# Altium PCB ui_brd_raton_v0.PcbDoc (part 3 of 4)
Units mm, origin at the board's own origin, x right, y up, seen from the top; angles counter-clockwise.
Board outline 280.16 x 208.53 mm, 2 copper layers (Top Layer, Bottom Layer); 354 components, 324 nets, 1344 pads, 595 vias.
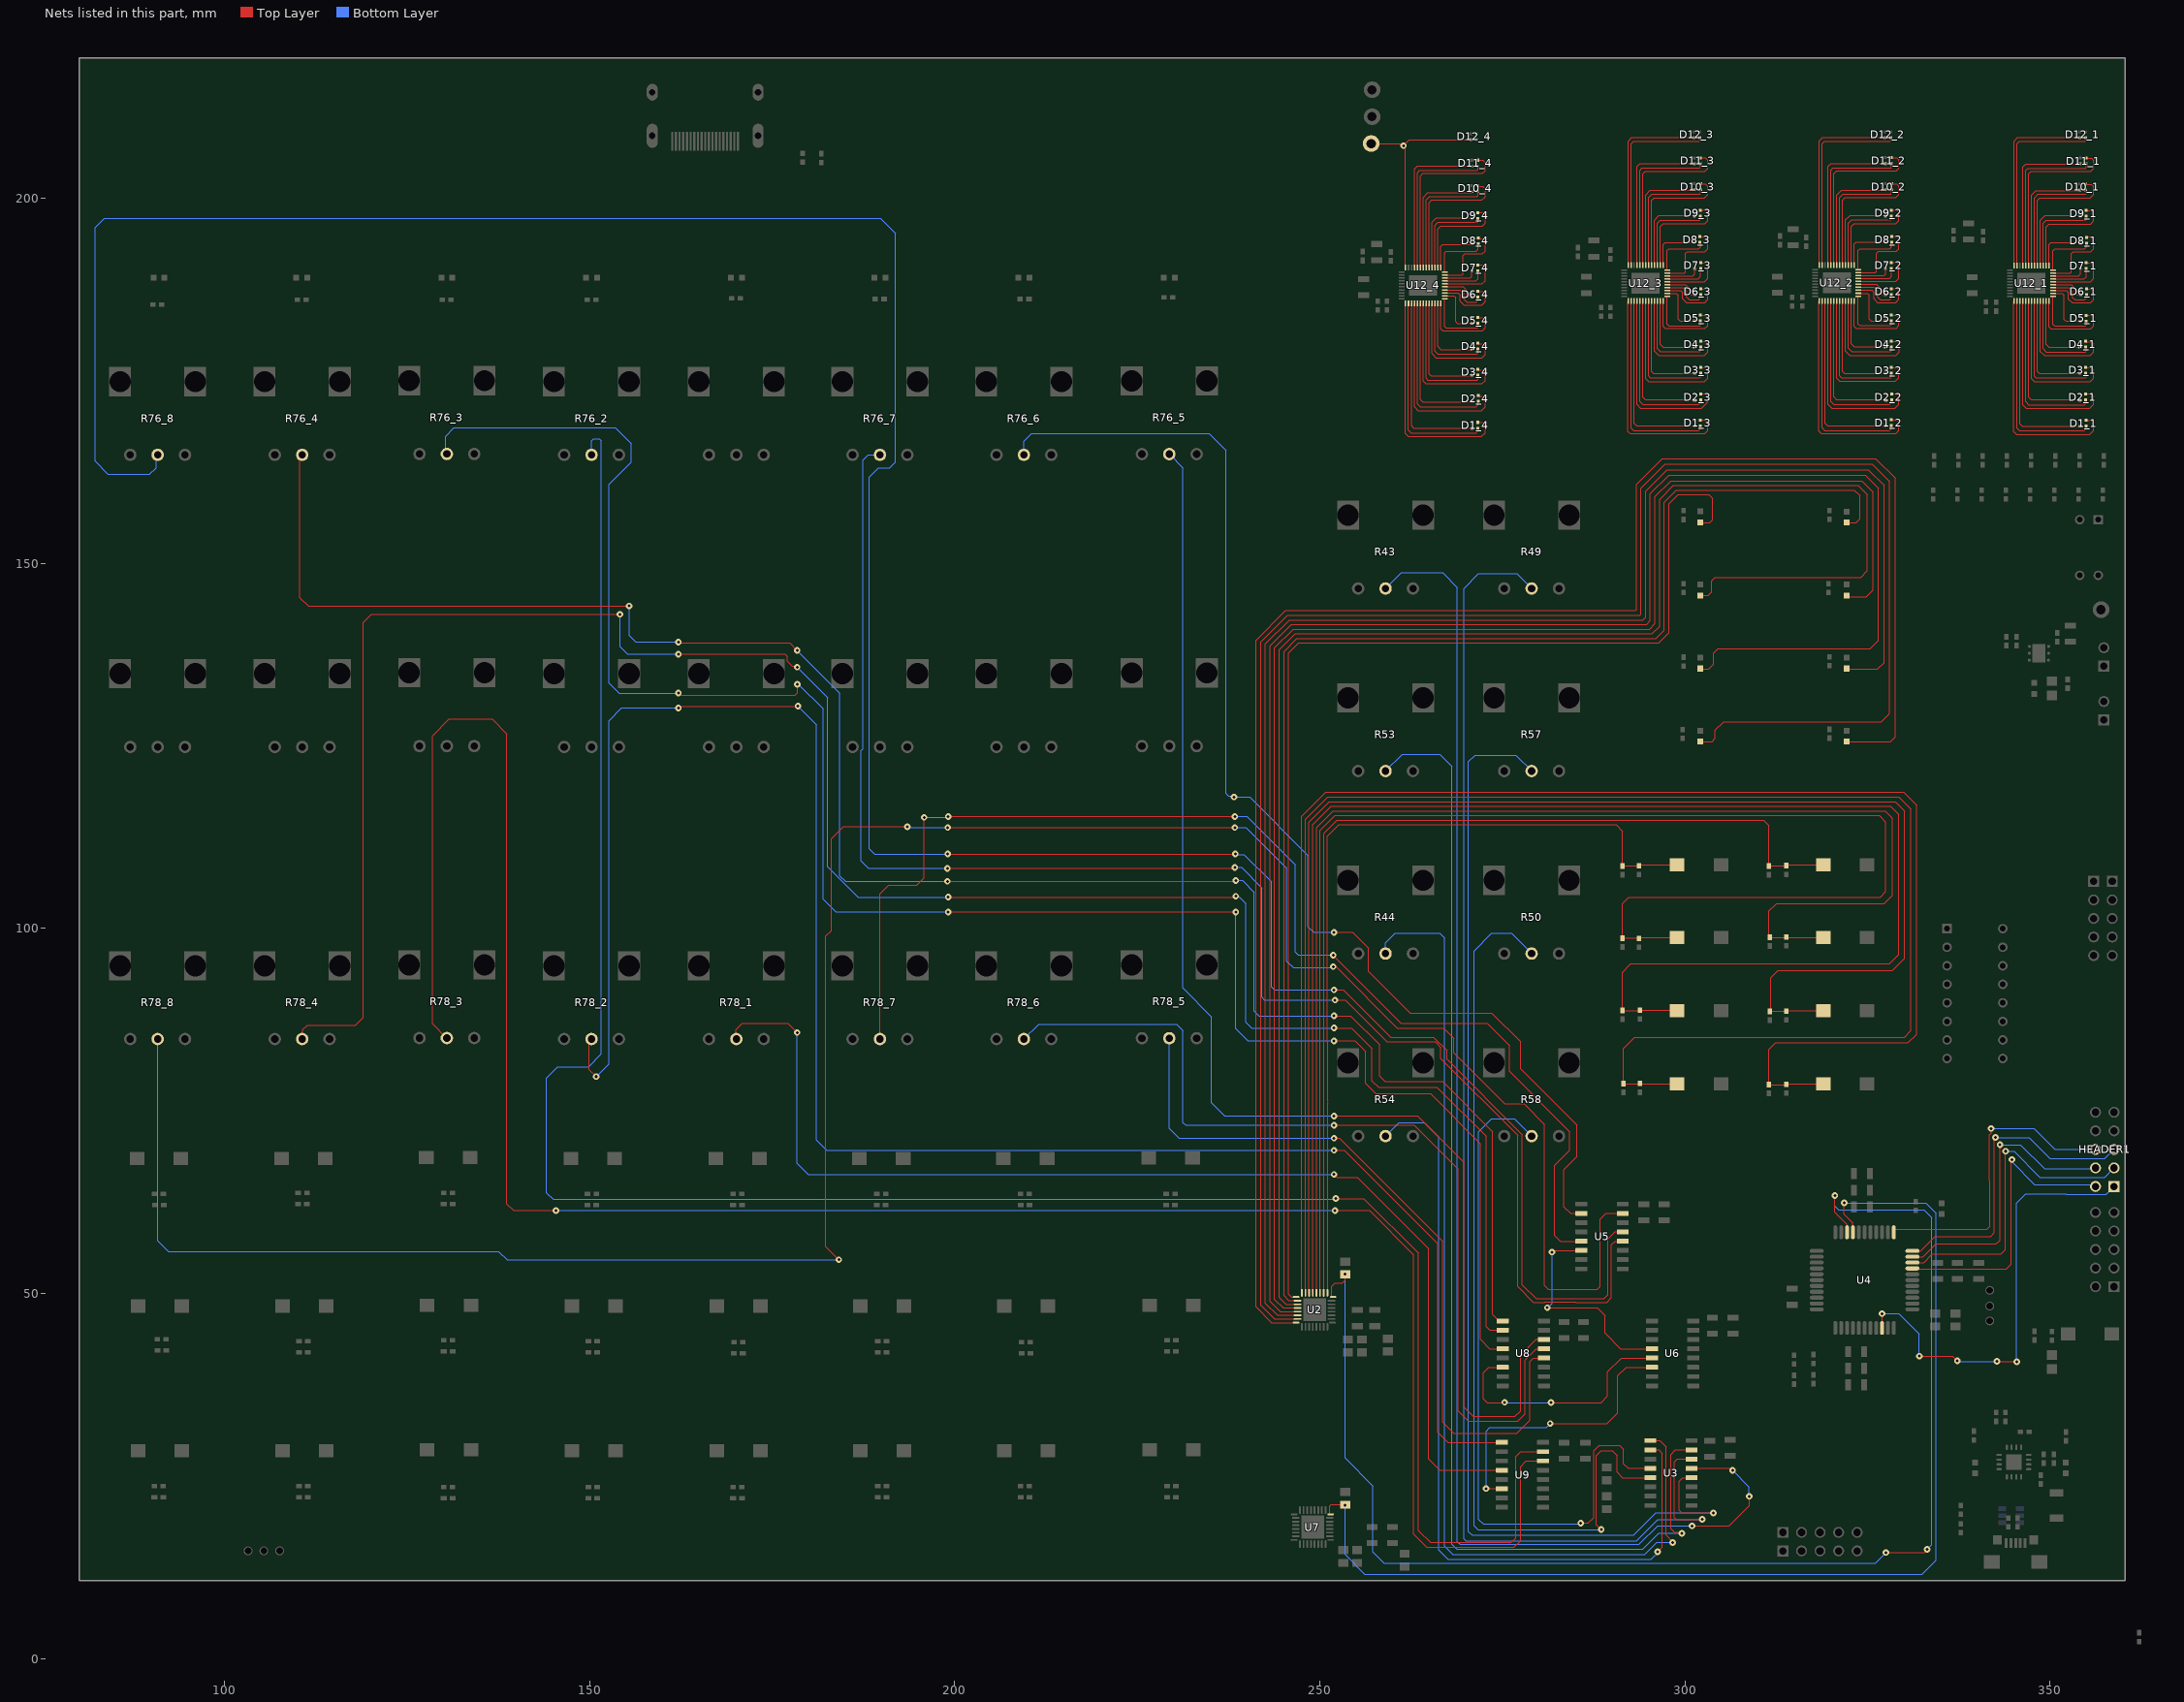
[diagram p3: the nets of this part, all layers, seen from the top]

## Via types
v1: diameter 0.9, hole 0.4, Top Layer to Bottom Layer, tented both sides, 571 vias
v2: diameter 0.5, hole 0.2, Top Layer to Bottom Layer, 16 vias
v3: diameter 0.6, hole 0.3, Top Layer to Bottom Layer, 4 vias
v4: diameter 6, hole 3.15, Top Layer to Bottom Layer, 4 vias

## Nets (pads, with @x,y where several pads share a name; then routed paths per layer and width w, separated by ;. In a path a pad name is that pad's centre, name@x,y a point inside that pad or via, vN(x,y) a via of type N, cw(c..) or ccw(c..) an arc to the next point about the centre after c; other vN are vias at no path point) (continued)
Frequency_2: R76_2.2 U9.15 | length 302.4
  Top Layer w0.152: v1(252.222,62.992) 256.032,62.992 263.525,55.499 263.525,17.526 265.176,15.875 276.225,15.875 276.86,16.51 276.86,27.686 277.495,28.321 U9.15@280.605,28.321
  Bottom Layer w0.152: R76_2.2@150.283,164.836 150.283,166.757 150.531,167.005 151.384,167.005 151.638,166.751 151.638,82.804 149.86,81.026 147.447,81.026 145.669,81.026 144.145,79.502 144.145,63.754 145.034,62.865 252.095,62.865 v1(252.222,62.992)
Frequency_3: R76_3.2 U8.4 | length 268.2
  Top Layer w0.152: v1(162.179,132.207) 162.433,131.953 178.181,131.953 178.473,132.245 v1(178.473,133.422) ; v1(199.136,102.235) v1(238.506,102.235) ; v1(251.968,84.582) 254.83,84.582 256.286,83.126 256.286,78.74 257.683,77.343 265.176,77.343 272.034,70.485 272.034,43.688 273.304,42.418 U8.4@275.051,42.418
  Bottom Layer w0.152: R76_3.2@130.471,164.963 130.302,165.132 130.302,167.386 131.445,168.529 153.543,168.529 155.702,166.37 155.702,163.83 152.654,160.782 152.654,133.604 154.051,132.207 v1(162.179,132.207) ; v1@178.562,133.477 181.991,130.048 181.991,104.013 183.769,102.235 v1(199.136,102.235) ; v1(238.506,102.235) 238.506,86.233 240.157,84.582 v1(251.968,84.582)
Frequency_4: R76_4.2 U8.1 | length 269.3
  Top Layer w0.152: R76_4.2@110.659,164.836 110.363,164.54 110.363,145.288 111.506,144.145 v1(155.448,144.145) ; v1(162.179,139.192) 162.306,139.065 177.419,139.065 v1(178.435,138.049) ; v1(199.009,106.426) 238.379,106.426 v1(238.506,106.553) ; v1(251.968,88.011) 254.254,88.011 258.191,84.074 258.191,79.756 258.953,78.994 266.827,78.994 273.685,72.136 273.685,47.079 273.774,46.99 273.789,46.99 274.551,46.228 U8.1@275.051,46.228
  Bottom Layer w0.152: v1(155.448,144.145) 155.448,140.081 156.337,139.192 v1(162.179,139.192) ; v1(178.435,138.049) 184.277,132.207 184.277,107.188 185.039,106.426 v1(199.009,106.426) ; v1(238.506,106.553) 239.395,106.553 241.046,104.902 241.046,88.646 241.681,88.011 v1(251.968,88.011)
Frequency_5: R76_5.2 U8.14 | length 183
  Top Layer w0.152: v1(251.968,74.295) 263.398,74.295 269.748,67.945 269.748,34.417 271.018,33.147 276.733,33.147 277.495,33.909 277.495,41.536 279.647,43.688 U8.14@280.701,43.688
  Bottom Layer w0.152: R76_5.2@229.404,164.945 231.267,163.082 231.267,91.821 235.204,87.884 235.204,76.073 236.982,74.295 v1(251.968,74.295)
Frequency_6: R76_6.2 U5.2 | length 169.2
  Top Layer w0.152: v1(251.968,99.441) 254.508,99.441 256.667,97.282 256.667,94.107 262.382,88.392 273.558,88.392 277.495,84.455 277.495,80.772 285.242,73.025 285.242,68.707 283.464,66.929 283.464,61.849 284.353,60.96 U5.2@285.846,60.96
  Bottom Layer w0.152: R76_6.2@209.49,164.836 209.49,166.691 210.566,167.767 234.823,167.767 237.178,165.412 237.178,118.422 237.49,118.11 238.125,118.11 v1(238.252,117.983) 240.411,117.983 248.412,109.982 248.412,100.203 249.174,99.441 v1(251.968,99.441)
Frequency_7: R76_7.2 U5.12 | length 216.6
  Top Layer w0.152: v1(199.009,108.204) 238.252,108.204 v1(238.379,108.331) ; v1(252.095,90.17) 253.492,90.17 259.207,84.455 265.811,84.455 266.573,83.693 266.573,82.169 277.114,71.628 277.114,50.927 279.273,48.768 280.802,48.768 280.849,48.816 285.054,48.816 285.102,48.768 289.306,48.768 289.941,49.403 289.941,56.642 290.449,57.15 U5.12@291.496,57.15
  Bottom Layer w0.152: R76_7.2@189.78,164.836 188.204,164.836 187.452,164.084 187.452,124.589 187.198,124.335 187.198,109.22 188.214,108.204 v1(199.009,108.204) ; v1(238.379,108.331) 239.268,108.331 242.062,105.537 242.062,90.551 242.443,90.17 v1(252.095,90.17)
Frequency_8: R76_8.2 U5.13 | length 399.5
  Top Layer w0.152: v1@198.882,109.982 v1(199.072,110.172) v1(238.442,110.172) ; v1(251.968,91.567) 253.238,91.567 259.715,85.09 265.607,85.09 267.411,83.286 267.411,82.093 277.749,71.755 277.749,51.181 279.654,49.276 288.925,49.276 289.493,49.844 289.493,57.47 290.442,58.42 U5.13@291.496,58.42
  Bottom Layer w0.152: R76_8.2@90.872,164.836 90.678,164.642 90.678,163.068 89.789,162.179 84.074,162.179 82.296,163.957 82.296,195.961 83.566,197.231 189.865,197.231 191.897,195.199 191.897,163.83 191.135,163.068 189.611,163.068 188.341,161.798 188.341,110.871 189.04,110.172 v1(199.072,110.172) ; v1@238.379,110.236 v1(238.442,110.172) 238.506,110.109 239.649,110.109 243.4,106.358 243.4,91.975 243.809,91.567 v1(251.968,91.567)
Gain_1: R78_1.2 U9.4 | length 159.1
  Top Layer w0.152: R78_1.2@170.12,84.836 170.053,84.903 170.053,86.106 170.942,86.995 177.169,86.995 v1(178.435,85.729) ; v1@252.095,66.167 252.349,65.913 255.143,65.913 264.922,56.134 264.922,27.305 266.446,25.781 U9.4@274.955,25.781
  Bottom Layer w0.152: v1(178.435,85.729) 178.435,67.818 179.959,66.294 v1(251.968,66.294)
Gain_2: R78_2.2 U9.1 | length 268.7
  Top Layer w0.152: R78_2.2@150.283,84.836 149.987,84.54 149.987,80.631 v1(150.929,79.69) ; v1@161.925,129.921 v1(162.179,130.175) 162.433,130.429 v1(178.562,130.429) ; v1(251.968,69.596) 253.365,69.596 266.192,56.769 266.192,30.988 267.589,29.591 U9.1@274.955,29.591
  Bottom Layer w0.152: v1@151.003,79.756 152.654,81.407 152.654,128.397 154.432,130.175 v1(162.179,130.175) ; v1(178.562,130.429) 181.102,127.889 181.102,70.993 182.499,69.596 v1(251.968,69.596)
Gain_3: R78_3.2 U9.14 | length 313.5
  Top Layer w0.152: R78_3.2@130.471,84.963 128.524,86.91 128.524,126.365 130.81,128.651 136.652,128.651 138.684,126.619 138.684,62.23 139.573,61.341 v1(145.415,61.341) ; v1(252.095,61.341) 256.794,61.341 262.89,55.245 262.89,17.018 264.668,15.24 276.606,15.24 277.495,16.129 277.495,26.289 278.257,27.051 U9.14@280.605,27.051
  Bottom Layer w0.152: v1@145.161,61.595 v1(145.415,61.341) v1(252.095,61.341)
Gain_4: R78_4.2 U8.2 | length 306.3
  Top Layer w0.152: R78_4.2@110.659,84.836 110.737,84.914 110.737,86.113 111.365,86.741 117.983,86.741 118.999,87.757 118.999,141.859 120.142,143.002 v1(154.178,143.002) ; v1@162.052,137.668 v1(162.179,137.541) 176.784,137.541 177.101,137.224 177.101,136.588 177.784,135.906 178.292,135.906 v1(178.435,135.763) v1@178.237,135.763 ; v1@199.009,104.14 v1(199.136,104.267) 238.379,104.267 v1(238.506,104.394) ; v1(251.968,86.36) 254.381,86.36 257.175,83.566 257.175,79.121 258.064,78.232 266.065,78.232 272.796,71.501 272.796,45.466 273.304,44.958 U8.2@275.051,44.958
  Bottom Layer w0.152: v1@154.051,143.129 v1(154.178,143.002) 154.178,138.557 155.194,137.541 v1(162.179,137.541) ; v1(178.435,135.763) 182.601,131.597 182.601,108.433 186.767,104.267 v1(199.136,104.267) ; v1(238.506,104.394) 238.887,104.394 239.903,103.378 239.903,87.122 240.665,86.36 v1(251.968,86.36)
Gain_5: R78_5.2 U8.12 | length 104.4
  Top Layer w0.152: v1(251.968,71.247) 252.73,71.247 266.827,57.15 266.827,32.385 268.351,30.861 276.987,30.861 278.765,32.639 278.765,40.64 279.273,41.148 U8.12@280.701,41.148
  Bottom Layer w0.152: R78_5.2@229.404,84.945 229.404,72.602 230.759,71.247 v1(251.968,71.247)
Gain_6: R78_6.2 U8.13 | length 129.7
  Top Layer w0.152: v1(251.968,73.025) 262.953,73.025 268.986,66.992 268.986,33.909 270.383,32.512 277.114,32.512 278.122,33.52 278.122,40.893 279.647,42.418 U8.13@280.701,42.418
  Bottom Layer w0.152: R78_6.2@209.49,84.836 211.522,86.868 230.378,86.868 231.267,85.979 231.267,73.406 231.648,73.025 v1(251.968,73.025)
Gain_7: R78_7.2 U5.5 | length 169.5
  Top Layer w0.152: R78_7.2@189.78,84.836 189.78,104.69 191.008,105.918 194.818,105.918 195.834,106.934 v1(195.834,115.189) ; v1(199.136,115.316) v1(238.379,115.316) ; v1@251.841,96.266 261.112,86.995 272.923,86.995 275.971,83.947 275.971,80.391 282.702,73.66 284.226,72.136 284.226,69.596 282.194,67.564 282.194,57.912 282.956,57.15 U5.5@285.846,57.15
  Bottom Layer w0.152: v1(195.834,115.189) 199.009,115.189 v1(199.136,115.316) ; v1(238.379,115.316) 240.03,115.316 246.634,108.712 246.634,96.774 247.078,96.329 v1(251.841,96.329)
Gain_8: R78_8.2 U5.15 | length 347.6
  Top Layer w0.152: v1(184.15,54.61) 182.372,56.388 182.372,98.933 183.134,99.695 183.134,112.268 184.785,113.919 v1(193.548,113.919) ; v1(199.067,113.792) v1(238.379,113.792) ; v1(251.841,94.742) 252.222,94.742 260.604,86.36 266.954,86.36 268.351,84.963 268.351,82.931 275.336,75.946 278.003,75.946 280.797,73.152 280.797,51.054 281.305,50.546 288.036,50.546 288.417,50.927 288.417,60.198 289.179,60.96 U5.15@291.496,60.96
  Bottom Layer w0.152: R78_8.2@90.872,84.836 90.872,57.21 92.329,55.753 137.567,55.753 138.71,54.61 v1(184.15,54.61) ; v1@193.421,114.046 v1(193.548,113.919) 193.675,113.792 v1(199.067,113.792) ; v1(238.379,113.792) 239.903,113.792 245.491,108.204 245.491,95.504 246.38,94.615 251.714,94.615 v1(251.841,94.742)
GEN_BTN_1: C5.1 R7.2 SW2.1 U2.1 | length 116.3
  Top Layer w0.152: U2.1@251.051,50.077 251.079,50.105 251.079,69.428 cw(c251.841,69.596) 251.079,69.764 251.079,71.079 cw(c251.841,71.247) 251.079,71.415 251.079,72.857 cw(c251.841,73.025) 251.079,73.193 251.079,76.032 cw(c251.841,76.2) 251.079,76.368 251.079,84.414 251.061,84.433 251.061,84.582 251.061,112.631 252.603,114.173 290.576,114.173 291.465,113.284 C5.1@291.465,108.55 R7.2@293.751,108.55 293.913,108.712 SW2.1@298.958,108.712
GEN_BTN_2: C7.1 R13.2 SW4.1 U2.2 | length 138
  Top Layer w0.152: U2.2@250.551,50.077 250.551,113.01 252.349,114.808 310.769,114.808 311.531,114.046 C7.1@311.531,108.55 313.862,108.55 R13.2@313.897,108.585 314.024,108.712 SW4.1@318.958,108.712
GEN_BTN_3: C9.1 R23.2 SW6.1 U2.3 | length 200.6
  Top Layer w0.152: U2.3@250.051,50.077 250.051,113.399 252.095,115.443 326.644,115.443 327.533,114.554 327.533,105.029 326.771,104.267 292.354,104.267 291.465,103.378 C9.1@291.465,98.644 293.716,98.644 293.784,98.712 SW6.1@298.958,98.712
GEN_BTN_4: C11.1 R27.2 SW8.1 U2.4 | length 183.2
  Top Layer w0.152: U2.4@249.551,50.077 249.551,113.788 251.841,116.078 327.406,116.078 328.422,115.062 328.422,104.521 327.279,103.378 312.547,103.378 311.531,102.362 311.531,98.898 C11.1@311.658,98.771 313.862,98.771 313.921,98.712 SW8.1@318.958,98.712
GEN_BTN_5: C6.1 R8.2 SW3.1 U2.5 | length 216.7
  Top Layer w0.152: U2.5@249.051,50.077 249.051,114.177 251.587,116.713 328.168,116.713 329.311,115.57 329.311,96.393 328.041,95.123 292.608,95.123 291.465,93.98 C6.1@291.465,88.738 293.796,88.738 R8.2@293.831,88.773 298.897,88.773 SW3.1@298.958,88.712
GEN_BTN_6: C8.1 R14.2 SW5.1 U2.6 | length 199.2
  Top Layer w0.152: U2.6@248.551,50.077 248.551,114.566 251.333,117.348 328.803,117.348 330.073,116.078 330.073,95.885 328.422,94.234 312.801,94.234 311.785,93.218 311.785,88.773 C8.1@311.658,88.646 R14.2@313.897,88.646 313.963,88.712 SW5.1@318.958,88.712
GEN_BTN_7: C10.1 R24.2 SW7.1 U2.7 | length 232.7
  Top Layer w0.152: U2.7@248.051,50.077 248.051,114.955 251.079,117.983 329.311,117.983 330.962,116.332 330.962,85.979 330.073,85.09 293.116,85.09 291.592,83.566 C10.1@291.592,78.705 293.796,78.705 R24.2@293.831,78.74 293.859,78.712 SW7.1@298.958,78.712
GEN_BTN_8: C12.1 R28.2 SW9.1 U2.8 | length 216.3
  Top Layer w0.152: U2.8@247.551,50.077 247.551,115.344 250.825,118.618 329.946,118.618 331.724,116.84 331.724,85.471 330.581,84.328 312.42,84.328 311.531,83.439 C12.1@311.531,78.578 313.862,78.578 R28.2@313.897,78.613 313.996,78.712 SW9.1@318.958,78.712
GEN_KNOB_1: R43.2 U3.13 | length 196.6
  Top Layer w0.152: U3.13@300.925,26.035 306.324,26.035 v1@306.578,25.781 ; v1(300.99,18.161) 306.07,18.161 308.864,20.955 v1@308.864,22.225
  Bottom Layer w0.152: R43.2@259.02,146.539 261.198,148.717 266.827,148.717 268.859,146.685 268.859,16.002 269.24,15.621 293.751,15.621 296.291,18.161 v1(300.99,18.161) v1@301.371,18.161 ; v1(306.538,25.775) 308.806,23.506 v1(308.806,22.207)
GEN_KNOB_2: R49.2 U3.14 | length 189.1
  Top Layer w0.152: U3.14@300.925,27.305 298.958,27.305 298.577,26.924 298.577,19.304 298.831,19.05 v1(302.387,19.05)
  Bottom Layer w0.152: R49.2@279.02,146.539 276.969,148.59 271.78,148.59 269.748,146.558 269.748,16.383 270.002,16.129 293.37,16.129 296.291,19.05 v1(302.387,19.05)
GEN_KNOB_3: R53.2 U3.15 | length 165
  Top Layer w0.152: v1(299.593,17.145) 299.466,17.272 298.577,17.272 298.069,17.78 298.069,27.94 298.704,28.575 U3.15@300.925,28.575
  Bottom Layer w0.152: R53.2@259.02,121.539 261.306,123.825 266.446,123.825 268.097,122.174 268.097,15.621 268.732,14.986 294.259,14.986 296.418,17.145 v1(299.593,17.145)
GEN_KNOB_4: R57.2 U3.12 | length 161
  Top Layer w0.152: U3.12@300.925,24.765 299.72,24.765 299.212,24.257 299.212,20.32 299.593,19.939 v1(303.911,19.939)
  Bottom Layer w0.152: R57.2@279.02,121.539 276.861,123.698 271.272,123.698 270.383,122.809 270.383,17.399 270.909,16.873 292.971,16.873 296.037,19.939 v1(303.911,19.939)
GEN_KNOB_5: R44.2 U3.1 | length 142
  Top Layer w0.152: U3.1@295.275,29.845 296.545,29.845 297.434,28.956 297.434,16.891 298.323,16.002 v1(298.323,15.875)
  Bottom Layer w0.152: R44.2@259.02,96.539 259.02,97.984 260.35,99.314 266.446,99.314 267.081,98.679 267.081,15.367 268.224,14.224 294.513,14.224 296.164,15.875 v1(298.323,15.875)
GEN_KNOB_6: R50.2 U3.5 | length 127.5
  Top Layer w0.152: v1(288.544,17.653) 287.909,18.288 287.909,27.813 288.544,28.448 290.068,28.448 290.703,27.813 290.703,25.527 291.465,24.765 U3.5@295.275,24.765
  Bottom Layer w0.152: R50.2@279.02,96.539 276.245,99.314 273.558,99.314 271.145,96.901 271.145,18.161 271.653,17.653 v1(288.544,17.653) v1@288.671,17.78
GEN_KNOB_7: R54.2 U3.2 | length 112.2
  Top Layer w0.152: U3.2@295.275,28.575 296.418,28.575 296.926,28.067 296.926,15.24 v1(296.291,14.605)
  Bottom Layer w0.152: R54.2@259.02,71.539 260.887,73.406 264.287,73.406 266.319,71.374 266.319,14.859 267.589,13.589 295.402,13.589 v1@296.545,14.732
GEN_KNOB_8: R58.2 U3.4 | length 98.3
  Top Layer w0.152: v1(285.75,18.542) 286.766,18.542 287.528,19.304 287.528,28.448 288.29,29.21 291.048,29.21 291.592,28.666 291.592,26.67 292.227,26.035 U3.4@295.275,26.035
  Bottom Layer w0.152: R58.2@279.02,71.539 276.645,73.914 273.558,73.914 271.78,72.136 271.78,20.32 271.78,19.05 272.415,18.415 v1@286.004,18.415
GEN_LED_1: LED2.1 U2.9 | length 171.5
  Top Layer w0.152: U2.9@246.976,49.502 246.154,49.502 245.745,49.911 245.745,137.668 247.142,139.065 296.418,139.065 297.815,140.462 297.815,158.115 299.085,159.385 303.276,159.385 303.784,158.877 303.784,155.956 303.403,155.575 302.145,155.575 LED2.1@302.133,155.587
GEN_LED_2: LED4.1 U2.10 | length 194.2
  Top Layer w0.152: U2.10@246.976,49.002 245.765,49.002 245.11,49.657 245.11,137.922 246.888,139.7 296.037,139.7 297.18,140.843 297.18,158.369 298.831,160.02 323.215,160.02 323.977,159.258 323.977,156.083 323.469,155.575 LED4.1@322.133,155.575
GEN_LED_3: LED6.1 U2.11 | length 227.8
  Top Layer w0.152: U2.11@246.976,48.502 245.376,48.502 244.475,49.403 244.475,138.176 246.634,140.335 295.529,140.335 296.545,141.351 296.545,158.75 298.45,160.655 323.723,160.655 324.993,159.385 324.993,148.971 324.104,148.082 304.165,148.082 303.657,147.574 303.657,146.05 303.182,145.575 LED6.1@302.133,145.575
GEN_LED_4: LED8.1 U2.12 | length 212.6
  Top Layer w0.152: U2.12@246.976,48.002 244.987,48.002 243.84,49.149 243.84,138.43 246.38,140.97 295.148,140.97 295.91,141.732 295.91,159.131 298.069,161.29 324.231,161.29 325.755,159.766 325.755,146.304 324.866,145.415 322.293,145.415 LED8.1@322.133,145.575
GEN_LED_5: LED3.1 U2.13 | length 245.8
  Top Layer w0.152: U2.13@246.976,47.502 244.598,47.502 243.205,48.895 243.205,138.684 246.126,141.605 294.767,141.605 295.275,142.113 295.275,159.512 297.815,162.052 324.739,162.052 326.517,160.274 326.517,139.446 325.374,138.303 304.546,138.303 303.911,137.668 303.911,136.144 303.276,135.509 302.199,135.509 LED3.1@302.133,135.575
GEN_LED_6: LED5.1 U2.14 | length 230.8
  Top Layer w0.152: U2.14@246.976,47.002 244.209,47.002 242.57,48.641 242.57,138.938 245.872,142.24 294.259,142.24 294.64,142.621 294.64,159.893 297.561,162.814 325.12,162.814 327.279,160.655 327.279,136.398 326.39,135.509 322.199,135.509 LED5.1@322.133,135.575
GEN_LED_7: LED7.1 U2.15 | length 263.9
  Top Layer w0.152: U2.15@246.976,46.502 243.82,46.502 241.935,48.387 241.935,139.192 245.618,142.875 293.878,142.875 294.005,143.002 294.005,160.274 297.307,163.576 325.628,163.576 328.041,161.163 328.041,129.413 326.898,128.27 305.308,128.27 304.165,127.127 304.165,125.984 303.756,125.575 LED7.1@302.133,125.575
GEN_LED_8: LED9.1 U2.16 | length 249.2
  Top Layer w0.152: U2.16@246.976,46.002 243.431,46.002 241.3,48.133 241.3,139.446 245.364,143.51 293.281,143.51 293.37,143.599 293.37,160.782 296.926,164.338 326.136,164.338 328.803,161.671 328.803,126.238 328.14,125.575 LED9.1@322.133,125.575
INH_0: U5.6 U6.4 | length 30.1
  Top Layer w0.152: v1(281.173,48.035) 281.202,48.006 288.036,48.006 289.052,46.99 289.052,44.577 291.211,42.418 U6.4@295.498,42.418 ; v1@281.813,55.626 282.067,55.88 U5.6@285.846,55.88
  Bottom Layer w0.152: v1@281.178,48.006 281.808,48.636 v1(281.808,55.655)
INH_1: U6.5 U8.6 | length 34.3
  Top Layer w0.152: U8.6@275.051,39.878 273.177,39.878 272.415,39.116 272.415,35.56 272.923,35.052 v1@275.336,35.052 ; v1(281.655,35.037) 281.671,35.052 288.544,35.052 289.433,35.941 289.433,39.243 291.338,41.148 U6.5@295.498,41.148
  Bottom Layer w0.152: v1(275.331,35.081) 275.36,35.052 v1@281.686,35.052
INH_2: U6.6 U9.6 | length 39.3
  Top Layer w0.152: v1@272.796,23.241 U9.6@274.955,23.241 ; v1(281.559,32.173) 289.348,32.173 290.83,33.655 290.83,38.735 291.973,39.878 U6.6@295.498,39.878
  Bottom Layer w0.152: v1(272.791,23.27) 272.791,31.11 273.304,31.623 281.051,31.623 v1@281.559,32.131
INT_1: R52.1 U4.41 U7.32 | length 158.1
  Top Layer w0.152: U7.32@251.372,19.741 251.372,20.867 251.587,21.082 253.463,21.082 R52.1@253.492,21.053 ; v1@321.818,62.357 321.818,60.833 323.012,59.639 U4.41@323.012,58.366
  Bottom Layer w0.152: v1(253.487,20.984) 253.487,14.229 256.159,11.557 332.486,11.557 334.391,13.462 334.391,60.96 332.994,62.357 321.842,62.357 v1(321.813,62.386)
INT_2: R40.1 U2.32 U4.42 | length 188.2
  Top Layer w0.152: U2.32@251.626,49.502 251.626,50.966 252.095,51.435 253.111,51.435 253.492,51.816 R40.1@253.492,52.592 ; v1@320.548,63.373 320.548,61.087 322.199,59.436 322.199,58.379 U4.42@322.212,58.366 ; v1(327.528,14.507) 332.896,14.507 v1@333.248,14.859